# Altium PCB CarrierMotherboard.PcbDoc (part 2 of 6) (continued)
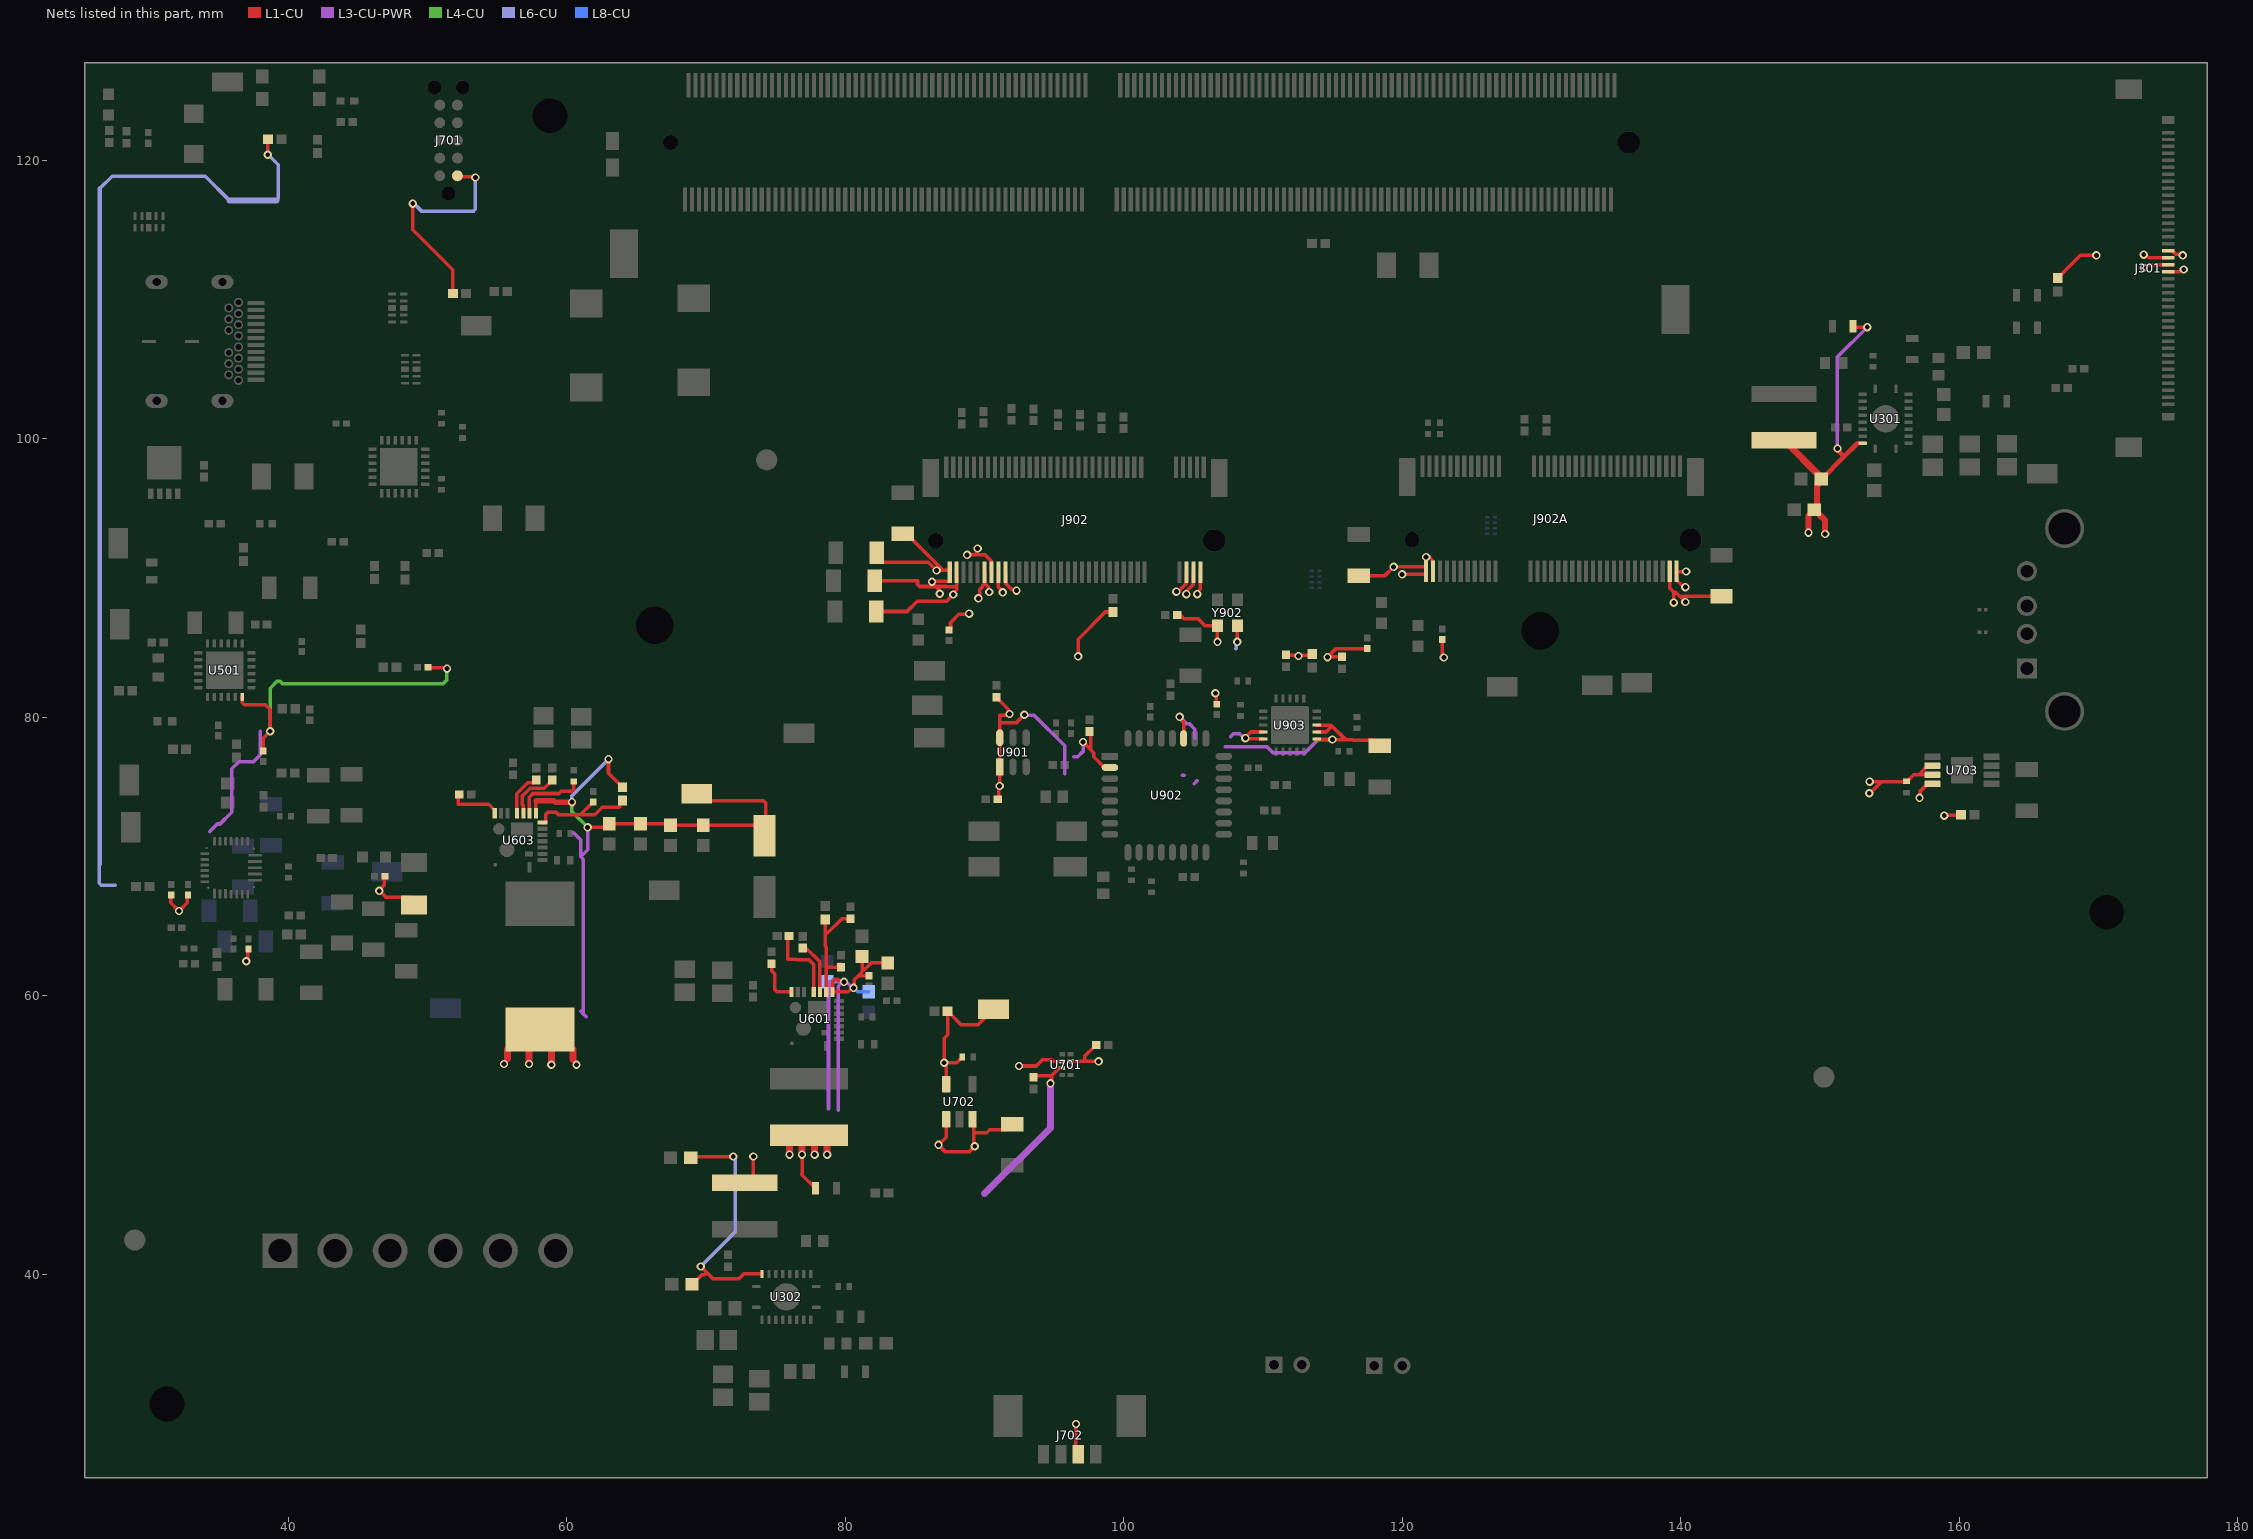
[diagram p8: the nets of this part, all layers, seen from the top]
## Part data (continued)
Q401: library part CMP-013-00034-1, "P-channel 30 V, 0.024 Ohm typ., 6 A STripFET H6 Power MOSFET in a PowerFLAT 3.3 x 3.3 package", Max Operating Temperature=150°C, Mounting Technology="Surface Mount", Pins=8
R101 R102 R612: library part CMP-2000-07451-1, "Chip Resistor, 0 Ohm, 0.1 W, -55 to 155 degC, 0402 (1005 Metric), RoHS, Tape and Reel", Case Code (Imperial)=0402, Case Code (Metric)=1005, Manufacturer=Panasonic, Max Operating Temperature=155degC, Max Power Dissipation=100mW, Min Operating Temperature=-55degC, Package Description="2-Pin Surface Mount Device, Body 1 x 0.5 mm", Package Quantity=1, Package Reference=402, Resistance=0mOhm, Temperature Coefficient=600ppm/��C, Tolerance=5%, Voltage Rating=50V, Case/Package=0402, Composition=ThickFilm, Contact Plating=Tin, Datasheet URL=https://industrial.panasonic.com/cdbs/www-data/pdf/RDA0000/AOA0000C301.pdf, Datasheet Version=03/2015, Depth=0.5mm, Height=0.35mm, Lead Free=LeadFree, Length=1mm, Manufacturer URL=http://www.panasonic.com/, Military Standard=Not, Mount=SurfaceMount, Mounting Technology=SurfaceMount, Number of Terminations=2, Packaging=TapeandReel, Power Rating=100mW, Radiation Hardening=No, REACH SVHC=NoSVHC, RoHSCompliant=True, Termination=SMD/SMT, Voltage Rating (DC)=50V, Width=0.02inch
R104 R105: library part CMP-2002-04898-2, "Thick Film Chip Resistors 0402 200Ω 0.0625W 1% 100ppm/°C", Case Code (Imperial)=0402, Case Code (Metric)=1005, Max Operating Temperature=125°C, Max Power Dissipation=63mW, Min Operating Temperature=-55°C, Package Quantity=10000, Power Rating=62.5mW, Temperature Coefficient=100ppm/°C, Tolerance=1%, Voltage Rating=50V, Case/Package=0402, Composition="Thick Film", Contact Plating=Tin, Depth=0.5mm, Height=0.016inch, Length=1mm, Military Standard=Not, Mount="Surface Mount", Number of Terminations=2, Packaging="Tape and Reel", Radiation Hardening=No, Resistance=200R, Termination=SMD/SMT, Thickness=356um, Width=0.5mm
R106: library part CMP-2002-04898-2, "Thick Film Chip Resistors 0402 200Ω 0.0625W 1% 100ppm/°C", Case Code (Imperial)=0402, Case Code (Metric)=1005, Max Operating Temperature=125°C, Max Power Dissipation=63mW, Min Operating Temperature=-55°C, Package Quantity=10000, Power Rating=62.5mW, Resistance=200R, Temperature Coefficient=100ppm/°C, Tolerance=1%, Voltage Rating=50V, Case/Package=0402, Composition="Thick Film", Contact Plating=Tin, Depth=0.5mm, Height=0.016inch, Length=1mm, Military Standard=Not, Mount="Surface Mount", Number of Terminations=2, Packaging="Tape and Reel", Radiation Hardening=No, Termination=SMD/SMT, Thickness=356um, Width=0.5mm
R201: library part CMP-26527-000122-1, "RES 0 OHM JUMPER 1/4W 0603", Case Code (Imperial)=0603, Case Code (Metric)=1608, Max Operating Temperature=155°C, Min Operating Temperature=-55°C, Package Quantity=5000, Resistance=0mR, Case/Package=0603, Height=0.021inch, Length=0.061inch, Mount="Surface Mount", Number of Terminations=2, Packaging="Tape and Reel", Radiation Hardening=No, RoHS Compliant=Yes, Termination=Wraparound, Width=0.031inch
R202 R205 R312 R404 R407 R501 R502 R512 R515 R702 R703 R910: library part CMP-2002-07913-2, "RES 100K OHM 5% 1/16W 0402", Case Code (Imperial)=0402, Case Code (Metric)=1005, Max Operating Temperature=155°C, Max Power Dissipation=63mW, Min Operating Temperature=-55°C, Package Quantity=1, Resistance=100kR, Resistance Tolerance=5%, Resistor Type="Thick Film", Temperature Coefficient=100ppm/°C, Voltage Rating=50V, Case/Package=0402, Construction=Rectangular, Depth=0.5mm, Features="Moisture Resistant", Height=0.016inch, Lead Free="Lead Free", Length=1mm, Military Standard=Not, Number of Terminations=2, Packaging="Tape and Reel", Power Rating=63mW, RoHS Compliant=Yes, Series=RC, Size Code=0402, Termination=SMD/SMT, Tolerance=5%, Width=0.02inch
R203 R204 R206 R402 R506 R507 R508 R521 R701: library part CMP-2002-07344-1, Manufacturer="Yageo / Phycomp", Part Number=RC0402FR-07100RL
R207: library part CMP-2002-07701-1, Manufacturer="Yageo / Phycomp", Part Number=RC0402FR-0747KL
R208 R403 R408 R514: library part CMP-2100-03616-1, "Chip Resistor, 1 KOhm, +/- 1%, 0.25 W, -55 to 155 degC, 1206 (3216 Metric), RoHS, Tape and Reel", Case Code (Imperial)=1206, Case Code (Metric)=3216, Manufacturer="Vishay Semiconductor", Max Operating Temperature=155degC, Max Power Dissipation=250mW, Min Operating Temperature=-55degC, Package Description="2-Pin Surface Mount Device, Body 3.15 x 1.6 mm", Package Quantity=10, Package Reference=1206.0, Resistance=1KOhm, Temperature Coefficient=100ppm/degreesC, Tolerance=1%, Voltage Rating=200V, Case/Package=1206, Composition=ThickFilm, Contact Plating=Tin, Datasheet URL=http://www.farnell.com/datasheets/1720486.pdf, Datasheet Version=41061.0, Depth=1.6mm, Height=0.55mm, Lead Free=LeadFree, Length=3.2mm, Manufacturer URL=http://www.vishay.com/, Military Standard=Not, Mount=SurfaceMount, Number of Pins=2, Number of Terminations=2, Packaging=TapeandReel, Power Rating=250mW, Radiation Hardening=No, REACH SVHC=Unknown, RoHSCompliant=true, Termination=SMD/SMT, Voltage Rating (DC)=200V, Weight=0.000353oz, Width=0.063inch
R301 R310: library part CMP-2000-03218-2, "RES Thick Film, 301kΩ, 1%, 0.1W, 100ppm/°C, 0603", Case Code (Imperial)=0603, Case Code (Metric)=1608, Max Operating Temperature=155°C, Max Power Dissipation=100mW, Min Operating Temperature=-55°C, Package Quantity=10, Resistance=301kR, Temperature Coefficient=100ppm/°C, Tolerance=1%, Voltage Rating=75V, Case/Package=0603, Composition="Thick Film", Contact Plating=Tin, Depth=0.85mm, Features="Automotive AEC-Q200", Height=0.45mm, Lead Free="Lead Free", Length=1.55mm, Military Standard=Not, Mount="Surface Mount", Number of Pins=2, Number of Terminations=2, Packaging="Tape and Reel", Power Rating=100mW, Radiation Hardening=No, Termination=SMD/SMT, Voltage Rating (DC)=75V, Weight=7.1E-05oz, Width=0.033inch, Working Voltage=75V
R302 R304 R306 R311 R313 R314 R316 R318: library part CMP-02407-011574-1, "RES SMD 100K OHM 1% 1/10W 0603", Case/Package=Molded, Max Operating Temperature=155°C, Min Operating Temperature=-55°C, Power Rating=100mW, Resistance=100kR, Resistor Type="Thick Film", Temperature Coefficient=100ppm/°C, Tolerance=1%, Contact Plating=Tin, Lead Free="Lead Free", Length=1.55mm, Mount="Surface Mount", RoHS Compliant=Yes, Termination=Wraparound
R303 R315: library part CMP-2000-02961-2, "RES Thick Film, 18.2kΩ, 1%, 0.1W, 100ppm/°C, 0603", Case Code (Imperial)=0603, Case Code (Metric)=1608, Max Operating Temperature=155°C, Max Power Dissipation=100mW, Min Operating Temperature=-55°C, Package Quantity=10, Resistance=18.2kR, Temperature Coefficient=100ppm/°C, Tolerance=1%, Voltage Rating=75V, Case/Package=0603, Composition="Thick Film", Contact Plating=Tin, Depth=0.85mm, Features="Automotive AEC-Q200", Height=0.45mm, Lead Free="Lead Free", Length=1.55mm, Military Standard=Not, Number of Pins=2, Number of Terminations=2, Packaging="Tape and Reel", Power Rating=100mW, Radiation Hardening=No, Termination=SMD/SMT, Voltage Rating (DC)=75V, Weight=7.1E-05oz, Width=0.85mm, Working Voltage=75V
R305: library part CMP-1012-00834-2, "RES Thick Film, 732kΩ, 1%, 0.1W, 100ppm/°C, 0603", Case Code (Imperial)=0603, Case Code (Metric)=1608, Max Operating Temperature=155°C, Max Power Dissipation=100mW, Min Operating Temperature=-55°C, Package Quantity=10, Resistance=732kR, Temperature Coefficient=100ppm/°C, Tolerance=1%, Voltage Rating=75V, Case/Package=0603, Composition="Thick Film", Contact Plating=Tin, Depth=0.85mm, Features="Automotive AEC-Q200", Height=0.02inch, Length=1.55mm, Military Standard=Not, Number of Pins=2, Number of Terminations=2, Packaging="Tape and Reel", Power Rating=100mW, Radiation Hardening=No, Termination=SMD/SMT, Weight=7.1E-05oz, Width=0.033inch
R307 R308 R520: library part CMP-1011-00001-2, Manufacturer="Yageo / Phycomp", Part Number=RC0402JR-070RL
R401 R509 R510 R513 R516 R517 R518 R519 R610 R618 R903 R904 R905: library part CMP-2002-07353-1, Manufacturer="Yageo / Phycomp", Part Number=RC0402FR-0710KL
R405: library part CMP-2002-07343-1, Manufacturer="Yageo / Phycomp", Part Number=RC0402FR-07100KL
R406: library part CMP-1011-00659-2, Manufacturer="Vishay Dale", Part Number=CRCW040222K0FKED
R409: library part CMP-2002-05217-1, Manufacturer=Bourns, Part Number=CR0402-FX-4701GLF
R410 R411: library part CMP-2002-07517-1, Manufacturer="Yageo / Phycomp", Part Number=RC0402FR-0722KL
R504: library part CMP-2002-08335-4, "RES Thick Film, 1.78MΩ, 1%, 0.063W, 100ppm/°C, 0402", Case Code (Imperial)=0402, Case Code (Metric)=1005, Max Operating Temperature=155°C, Max Power Dissipation=63mW, Min Operating Temperature=-55°C, Package Quantity=10000, Resistance=1.78MR, Temperature Coefficient=100ppm/°C, Tolerance=1%, Voltage Rating=50V, Case/Package=0402, Composition="Thick Film", Contact Plating=Tin, Depth=0.5mm, Features="Automotive AEC-Q200", Height=0.016inch, Lead Free="Lead Free", Length=1mm, Military Standard=Not, Number of Pins=2, Number of Terminations=2, Packaging="Tape and Reel", Power Rating=63mW, Radiation Hardening=No, Voltage Rating (DC)=50V, Weight=2.3E-05oz, Width=0.5mm
R505: library part CMP-1011-00786-2, Manufacturer=Yageo, Part Number=RC0402FR-07287KL
R511: library part CMP-2002-07655-1, Manufacturer=Yageo, Part Number=RC0402FR-073K57L
R522: library part CMP-06022-000003-3, "NTC Thermistor for Temperature Sensor, 0402, 10kΩ, 1%, 0.1mA, 5V", Case Code (Imperial)=0402, Case Code (Metric)=1005, Current Rating=310uA, Max Operating Temperature=125°C, Max Power Dissipation=100mW, Min Operating Temperature=-40°C, Package Quantity=10000, Resistance=10kR, Resistance Tolerance=1%, Case/Package=0402, Depth=0.5mm, Height=0.5mm, Lead Free="Lead Free", Length=1mm, Mount="Surface Mount", Number of Pins=2, Packaging="Tape and Reel", Power Rating=100mW, Radiation Hardening=No, REACH SVHC="No SVHC", RoHS Compliant=Yes, Series=NCP, Termination=SMD/SMT, Tolerance=1%
R523: library part CMP-2002-07025-1, Manufacturer="Yageo / Phycomp", Part Number=RC0402FR-0727KL
R601: library part CMP-1011-00655-3, "Thick Film Chip Resistors 0402 20kΩ 0.0625W 1% 100ppm/°C", Case Code (Imperial)=0402, Case Code (Metric)=1005, Max Operating Temperature=125°C, Min Operating Temperature=-55°C, Package Quantity=10000, Power Rating=62.5mW, Resistance=20kR, Temperature Coefficient=100ppm/°C, Tolerance=1%, Voltage Rating=50V, Case/Package=0402, Composition="Thick Film", Contact Plating=Tin, Depth=0.5mm, Height=0.35mm, Length=1mm, Military Standard=Not, Mount="Surface Mount", Packaging="Tape and Reel", Radiation Hardening=No, Termination=SMD/SMT, Thickness=356um, Width=0.5mm
R602 R908 R909: library part CMP-2002-05009-2, "Thick Film Chip Resistors 0402 2.7kΩ 0.0625W 1% 100ppm/°C", Case Code (Imperial)=0402, Case Code (Metric)=1005, Max Operating Temperature=125°C, Max Power Dissipation=63mW, Min Operating Temperature=-55°C, Package Quantity=10000, Power Rating=62.5mW, Resistance=2.7kR, Temperature Coefficient=100ppm/°C, Tolerance=1%, Voltage Rating=50V, Case/Package=0402, Composition="Thick Film", Contact Plating=Tin, Depth=0.5mm, Height=0.016inch, Length=1mm, Military Standard=Not, Mount="Surface Mount", Number of Terminations=2, Packaging="Tape and Reel", Radiation Hardening=No, Termination=SMD/SMT, Thickness=356um, Width=0.02inch
R603 R604 R607 R608: library part CMP-1011-00815-2, Manufacturer=Bourns, Part Number=CR0402-FX-4993GLF
R609: library part CMP-2002-05384-1, Manufacturer=Bourns, Part Number=CR0402-FX-7322GLF
R617: library part CMP-2002-07692-1, Manufacturer="Yageo / Phycomp", Part Number=RC0402FR-0745K3L
R900 R902: library part CMP-2002-07055-1, Manufacturer="Yageo / Phycomp", Part Number=RC0402FR-0727RL
R906 R907: library part CMP-2000-03436-2, "RES Thick Film, 50Ω, 1%, 0.1W, 100ppm/°C, 0603", Case Code (Imperial)=0603, Case Code (Metric)=1608, Max Operating Temperature=155°C, Min Operating Temperature=-55°C, Package Quantity=5000, Power Rating=100mW, Resistance=50R, Temperature Coefficient=100ppm/°C, Tolerance=1%, Voltage Rating=75V, Case/Package=0603, Composition="Thick Film", Contact Plating=Tin, Depth=0.85mm, Height=0.45mm, Lead Free="Lead Free", Length=1.55mm, Military Standard=Not, Mount="Surface Mount", Number of Pins=2, Packaging="Tape and Reel", Radiation Hardening=No, REACH SVHC="No SVHC", Termination=SMD/SMT, Voltage Rating (DC)=75V, Weight=7.1E-05oz, Width=0.85mm
RN101: library part CMP-05421-000001-1, "RES ARRAY 4 RES ZERO OHM 0502", Manufacturer="Panasonic Electronic Components", Manufacturer Part Number=EXB-18VR000X, Number Of Resistors=4, Package=EXB-18V, Power Per Resistor=0.031W, Power Rating=0.1W, Resistance=0Ω, Temperature="-55°C to +125°C", Temperature Coefficient=-200/+600ppm/°C, Temperature Range High=+125°C, Temperature Range Low=-55°C, Tolerance=5%, Voltage Rating=12.5V, Automotive=No, Category=Res, ComponentLink2Description=Datasheet, ComponentLink2URL=https://industrial.panasonic.com/cdbs/www-data/pdf/AOC0000/AOC0000C14.pdf, Composition="Thick Film", Device Class L1="Passive Components", Device Class L2=Resistors, Device Class L3="Resistor Arrays", Digikey Description="RES ARRAY 4 RES ZERO OHM 0502", Footprint Url=https://industrial.panasonic.com/cdbs/www-data/pdf/AOC0000/AOC0000COL4.pdf, Height=0.45mm, Lead Free=Yes, Mouser Description="Resistor Networks & Arrays Resistor Array Chip 0502 4 Elements", Octopart=https://octopart.com/exb-18vr000x-panasonic-39836506, RoHS=TRUE, Series=EXB, Termination=Flat
RN104: library part CMP-05421-000001-1, "RES ARRAY 4 RES ZERO OHM 0502", Manufacturer="Panasonic Electronic Components", Number Of Resistors=4, Package=EXB-18V, Power Per Resistor=0.031W, Power Rating=0.1W, Resistance=0Ω, Temperature="-55°C to +125°C", Temperature Coefficient=-200/+600ppm/°C, Temperature Range High=+125°C, Temperature Range Low=-55°C, Tolerance=5%, Voltage Rating=12.5V, Automotive=No, Category=Res, ComponentLink2Description=Datasheet, ComponentLink2URL=https://industrial.panasonic.com/cdbs/www-data/pdf/AOC0000/AOC0000C14.pdf, Composition="Thick Film", Device Class L1="Passive Components", Device Class L2=Resistors, Device Class L3="Resistor Arrays", Digikey Description="RES ARRAY 4 RES ZERO OHM 0502", Footprint Url=https://industrial.panasonic.com/cdbs/www-data/pdf/AOC0000/AOC0000COL4.pdf, Height=0.45mm, Lead Free=Yes, Manufacturer Part Number=EXB-18VR000X, Mouser Description="Resistor Networks & Arrays Resistor Array Chip 0502 4 Elements", Octopart=https://octopart.com/exb-18vr000x-panasonic-39836506, RoHS=TRUE, Series=EXB, Termination=Flat
S701: library part CMP-016-00013-1, "Switch Tactile N.O. SPST Round Button Gull Wing 0.05A 32VDC 1VA 200000Cycle 1.2N SMD T/R", Case/Package=SMD/SMT, Max Operating Temperature=85°C, Min Operating Temperature=-40°C, Mounting Technology="Surface Mount"
U301: library part CMP-04918-000117-1, "IC REG BOOST ADJ 10A 20VQFN", Manufacturer="Texas Instruments", Max Junction Temp=+125°C, Max Supply Voltage=12V, Min Supply Voltage=2.7V, Nominal Supply Current=1-110uA, Output Current=10A, Output Voltage=4.5-12.6V, Package=RHL0020A, Switching Frequency=200-2200kHz, Temperature="-40°C to +85°C", Temperature Range High=+85°C, Temperature Range Low=-40°C, Automotive=No, Category=IC, ComponentLink2Description=Datasheet, ComponentLink2URL=http://www.ti.com/lit/ds/symlink/tps61088.pdf, Device Class L1="Integrated Circuits (ICs)", Device Class L2="Power Management ICs", Device Class L3="Voltage Regulators - Switching", Digikey Description="IC REG BOOST ADJ 10A 20VQFN", Height=1mm, Lead Free=Yes, Manufacturer Part Number=TPS61088RHLT, Max Duty Cycle=90%, Number Of Outputs=1, Octopart=https://octopart.com/tps61088rhlt-texas+instruments-57155059, Output Type=AdjustableProgrammable, RoHS=TRUE, Switching Topology=Boost
U302: library part CMP-04918-000117-1, "IC REG BOOST ADJ 10A 20VQFN", Manufacturer="Texas Instruments", Manufacturer Part Number=TPS61088RHLT, Max Junction Temp=+125°C, Max Supply Voltage=12V, Min Supply Voltage=2.7V, Nominal Supply Current=1-110uA, Output Current=10A, Output Voltage=4.5-12.6V, Package=RHL0020A, Switching Frequency=200-2200kHz, Temperature="-40°C to +85°C", Temperature Range High=+85°C, Temperature Range Low=-40°C, Automotive=No, Category=IC, ComponentLink2Description=Datasheet, ComponentLink2URL=http://www.ti.com/lit/ds/symlink/tps61088.pdf, Device Class L1="Integrated Circuits (ICs)", Device Class L2="Power Management ICs", Device Class L3="Voltage Regulators - Switching", Digikey Description="IC REG BOOST ADJ 10A 20VQFN", Height=1mm, Lead Free=Yes, Max Duty Cycle=90%, Number Of Outputs=1, Octopart=https://octopart.com/tps61088rhlt-texas+instruments-57155059, Output Type=AdjustableProgrammable, RoHS=TRUE, Switching Topology=Boost
U401: library part CMP-12113-000003-3, "4.1V~22V USB 2.0 I2C Controllers Interface ICs STUSB45 Controller 24-VFQFN Exposed Pad", Ambient Temperature Range High=105°C, Max Junction Temperature (Tj)=145°C, Max Supply Voltage=22V, Min Operating Temperature=-40°C, Min Supply Voltage=3V, Height=1mm, Interface="I2C, USB", Lifecycle Status=Production, Max Operating Temperature=105°C, Number of Ports=1, Schedule B="8542390000, 8542390000", USB Standard="USB 2.0"
U402 U403 U404: library part CMP-04985-000004-1, "TVS DIODE 5.5V 14V 10USON", Ambient Temperature Range High=+125°C, Ambient Temperature Range Low=-40°C, Breakdown Voltage=6.4V, Capacitance=0.5pF, Clamping Voltage=14V, Manufacturer="Texas Instruments", Operating Supply Voltage=5.5V, Package=DQA0010A, Peak Pulse Current=2.5A, Peak Pulse Power=2.5W, Temperature="-40°C to +125°C", Automotive=Yes, Automotive Grade="Grade 1", Category=IC, ComponentLink2Description=Datasheet, ComponentLink2URL=http://www.ti.com/lit/ds/symlink/tpd4e05u06-q1.pdf, Device Class L1="Circuit Protection", Device Class L2="ESD and Circuit Protection ICs", Device Class L3=unset, Digikey Description="TVS DIODE 5.5V 14V 10USON", Direction=Unidirectional, Height=0.55mm, Interface=USB,Ethernet,LVDS,Other, Lead Free=Yes, Manufacturer Part Number=TPD4E05U06QDQARQ1, Mouser Description="Automotive 4-Channel ESD Protection Solution for SuperSpeed (up to 5 Gbps) Interface 10-USON -40 to 125", Number of Channels=4, Octopart=https://octopart.com/tpd4e05u06qdqarq1-texas+instruments-48523459, Reverse Standoff Voltage=5.5V, RoHS=TRUE, Standoff Height=0mm, Temperature Range High=+125°C, Temperature Range Low=-40°C
U501: library part CMP-04910-000050-1, "POWER MANAGEMENT", RoHS Compliant=Yes
U502: library part CMP-04911-000031-1, "I2C CONTROLLED, 5-A, 1-4 CELL BU", RoHS Compliant=Yes
U601 U603: library part CMP-00030-87948104-1, "SIC431AED-T1-GE3 IC Reg Buck Adj 24A MLP44-24", Ambient Temperature Range High=105°C, Max Junction Temperature (Tj)=125°C, Max Supply Voltage=24V, Min Operating Temperature=-40°C, Min Supply Voltage=3V, Output Current=24A, Output Voltage=20V, Height=800µm, Max Operating Temperature=125°C, NexarPartId=87948104, Number Of Outputs=1, RoHS=Non-Compliant, Schedule B="8542390000, 8542390000"
U701: library part CMP-015-00011-1, "Line Transceiver, PDSO8, 1 X 1.95 Mm, 0.50 Mm Height, Plastic, MO-252, SOT833-1, SON-8", Max Operating Temperature=125°C, Max Supply Voltage=3.6V, Min Operating Temperature=-40°C, Min Supply Voltage=1.65V, Mounting Technology=Standard, Pins=8
U702: library part CMP-019-00049-1, "200mA, ultra-low-IQ, high-accuracy, low-dropout voltage regulator with enable 5-SOT-23 -40 to 125", Case/Package=SOT-23, Output Voltage=1.8V, Pins=5
U703: library part CMP-0337-00296-2, "Single Channel, Current-Limited USB Power Distribution Switch, 2.9 A Current Limit, -40 to 85 degC, 8-pin MSOP-PowerPAD (DGN), Green (RoHS & no Sb/Br)", Continuous Current(Max)(A)=2, Current Limit(A)=2.9, Manufacturer="Texas Instruments", Rating=Catalog, Code_JEDEC=MO-187-AA-T, ComponentLink1Description=Datasheet, ComponentLink1URL=http://www.ti.com/general/docs/lit/getliterature.tsp?genericPartNumber=TPS2001C&fileType=pdf, DatasheetVersion=SLVSAU6E, Discharge Function=TRUE, Eco-Plan="Green (RoHS & no Sb/Br)", Enable="Active High", Mounting Technology="Surface Mount", Number of Switches=1, PackageDescription="8-Pin PowerPAD Plastic Small Outline Package 3 x 3 mm Body ,0.65 mm Pitch, Exposed Pad", PackageReference=DGN0008D, PackageVersion="revF, May-2011", PartNumber=TPS2001CDGNR, rDS(on) per FET(Typ)(mOhms)=70, UL Listed=TRUE, Vin(Max)(V)=5.5, Vin(Min)(V)=4.5
U901: library part CMP-04910-000092-1, "IC PWR SWITCH N-CHAN 1:1 SOT23-6", Case/Package=SOT-23-6, Max Operating Temperature=105°C, Max Output Current=2A, Min Operating Temperature=-40°C, Interface=On/Off, Lead Free="Lead Free", Number of Channels=1, Number Of Outputs=1, Output Configuration="High Side", Packaging="Tape and Reel", RoHS Compliant=Yes
U902: library part CMP-04873-000003-1, "IC STEREO AUD CODEC W/USB 32TQFP", Case/Package=TQFP, Max Operating Temperature=85°C, Max Supply Voltage=5.25V, Min Operating Temperature=-25°C, Min Supply Voltage=3V, Operating Supply Voltage=5V, Package Quantity=1000, Contact Plating=Gold, Interface=USB, Lead Free="Lead Free", Mount="Surface Mount", Number of A/D Converters=1, Number of ADC Channels=1, Number of Analog Inputs=1, Number of Analog Outputs=2, Number of D/A Converters=1, Number of DAC Channels=2, Number of Pins=32, Packaging="Tape and Reel", Radiation Hardening=No, Resolution=16b, RoHS Compliant=Yes, Sampling Rate=48KS/s, Series=-, Signal to Noise Ratio (SNR)=92dB, Type="General Purpose"
U903: library part CMP-0991-00197-2, "2.8-W/Ch Stereo Class-D Audio Amplifier with SmartGainTM AGC / DRC, -40 to 85 degC, 20-pin QFN (RTJ20), Green (RoHS & no Sb/Br)", Manufacturer="Texas Instruments", Output Power(W)=2.8, Supply Max(Max)(Volt)=5.5, Supply Min(Min)(Volt)=2.5, ComponentLink1Description="Manufacturer URL", ComponentLink1URL=http://www.ti.com/, ComponentLink2Description=Datasheet, ComponentLink2URL=http://www.ti.com/general/docs/lit/getliterature.tsp?genericPartNumber=TPA2016D2&fileType=pdf, ComponentLink3Description="Package Specification", ComponentLink3URL=http://www.ti.com/litv/pdf/mpqf156e, DatasheetVersion=SLOS524D, Eco-Plan="Green (RoHS & no Sb/Br)", Mounting Technology="Surface Mount", PackageDescription="20-pin Plastic Flat Pack, Body 4 x 4 mm, Pitch 0.5 mm", PackageReference=RTJ0020D, PackageVersion="4205505/F, 07/2011", PartNumber=TPA2016D2RTJT, PSRR(dB)=-80, Speaker Amp Type=Class-D, Speaker Channels=Stereo, Special Features=AGC/DRC, SubFamily="Dynamic Speaker"
Y902: library part CMP-00023-00003-1, "Oscillator, 32.768kHz, CMOS, SMD, 2.5mm x 2mm, 3.6V, 25ppm, MultiVolt ECS-327MVATX Series", Frequency=32.768kHz, Max Operating Temperature=85°C, Min Operating Temperature=-40°C, Mounting Technology="Surface Mount"

## Free pads (board coordinates)
  round 1.524 hole 2.5 unplated mask+0.1: 4(170.6,66) 5(31.3,30.7) 6(58.8,123.2)
  round 1.524 smd mask+0.5: FM1(28.981,42.469) FM2(150.283,54.173) FM3(74.362,98.496)
  round 1.524 hole 2.7 unplated mask+0.1: MH1(66.319,86.614) MH2(129.921,86.208)

## Via types
v1: diameter 0.6, hole 0.35, L1-CU to L8-CU, 799 vias

## Nets (pads, with @x,y where several pads share a name; then routed paths per layer and width w, separated by ;. In a path a pad name is that pad's centre, name@x,y a point inside that pad or via, vN(x,y) a via of type N, cw(c..) or ccw(c..) an arc to the next point about the centre after c; other vN are vias at no path point)
1V8_LDO: C706.2 C709.1 J701.1 R202.2 R205.2 R702.2 TP701.1 U701.3 U701.6 U702.5 | length 104.4
  L1-CU w0.254: v1(38.532,120.408) 38.544,120.42 38.544,121.513 R702.2@38.557,121.525 ; v1(48.946,116.891) 48.946,115.011 51.821,112.136 R205.2@51.821,110.436 ; 52.578,118.821 52.22,118.821 52.208,118.833 53.383,118.833 v1(53.442,118.774) ; U702.5@87.25,53.655 87.25,54.926 87.1,55.076 v1(87.1,55.2) ; C709.1@88.4,55.6 88.4,55.55 88.327,55.477 88.277,55.477 88,55.2 v1(87.1,55.2) ; TP701.1@90.8,59.2 TP701.1@90.65,59.05 89.512,57.912 88.345,57.912 87.588,58.669 87.588,58.691 87.379,58.9 R202.2@87.357,58.9 87.357,57.207 87.1,56.95 v1(87.1,55.2) ; v1(92.481,54.966) 93.726,54.966 94.158,55.397 94.806,55.397 94.887,55.317 U701.6@95.59,55.317 ; U701.3@96.18,55.317 96.191,55.307 97.188,55.307 ; C706.2@98.019,56.464 97.997,56.464 97.188,55.655 97.188,55.307 ; v1(98.196,55.296) 98.186,55.307 97.188,55.307
  L6-CU w0.254: 26.42,69.467 26.42,68.094 26.569,67.945 27.588,67.945 ; 26.467,117.983 27.356,118.872 34.036,118.872 35.789,117.119 ; v1@38.532,120.447 39.281,119.698 39.281,117.268 39.132,117.119 ; v1@48.87,117.069 49.606,116.332 53.293,116.332 53.442,116.481 v1(53.442,118.774)
  L6-CU w0.35: 26.467,69.467 26.467,117.983
  L6-CU w0.45: 35.789,117.119 39.132,117.119
3V3_EN: R612.2 U603.19 | length 5.1
  L1-CU w0.254: U603.19@57.338,73.113 57.315,73.136 57.315,74.271 57.577,74.534 59.434,74.534 59.6,74.7 60.351,74.7 60.5,74.849 R612.2@60.5,75.4
3V3_FB: R617.1 R618.2 U603.17 | length 8.3
  L1-CU w0.254: U603.17@58.25,72.45 58.463,72.45 58.486,72.473 58.486,73.026 58.634,73.174 59.236,73.174 59.411,73 60.975,73 ; R618.2@61.9,73.925 61.9,73.9 61.802,73.802 61.777,73.802 60.975,73 ; R617.1@64,74.025 63.802,73.827 63.802,73.581 63.779,73.558 62.56,73.558 62.001,73 60.975,73
3V3_M2: C101.2 C104.1 C105.1 C114.1 C115.1 C116.1 C117.1 C626.1 C628.1 C630.1 C632.1 C633.2 J301.18 J301.19 J301.20 J301.21 J902.2 J902.4 J902.12 J902.14 J902.16 J902.18 J902.70 J902.72 J902.74 J902A.2 J902A.4 J902A.72 J902A.74 L603.2 R104.2 R105.2 R106.1 R207.2 R312.2 R509.2 R510.2 R513.1 R514.2 R516.1 R517.1 R518.1 R617.2 R703.1 R908.2 R909.2 R910.1 TP603.1 U501.12 U603.18 U703.4 Y902.1 Y902.4 | length 190.5
  L1-CU w0.254: R517.1@31.553,67.25 31.553,66.7 v1(32.153,66.1) 32.753,66.7 R516.1@32.753,67.25 ; U501.12@36.7,81.475 36.7,81.049 36.849,80.9 38.351,80.9 38.7,80.551 v1(38.7,79) 38.2,78.5 R510.2@38.2,77.575 ; v1(36.986,62.484) 36.986,62.578 37.108,62.699 R518.1@37.108,63.351 ; R513.1@46.911,68.596 46.911,67.99 46.537,67.616 v1(46.537,67.539) 46.563,67.539 47.031,67.07 48.758,67.07 R514.2@49.153,66.675 ; R509.2@50.05,83.6 50.1,83.55 51.35,83.55 v1(51.4,83.5) ; v1(55.492,55.104) 55.492,55.227 55.74,55.475 ; L603.2@57.292,56.797 L603.2@58.09,57.594 L603.2@58.898,56.786 ; U603.18@57.788,73.113 57.788,73.966 57.821,74 ; 60.439,55.436 60.698,55.177 v1(60.698,55.053) ; v1(61.5,72.1) 62.789,72.1 C626.1@63.056,72.367 C628.1@65.292,72.367 67.342,72.367 C630.1@67.458,72.251 69.797,72.251 C632.1@69.8,72.254 73.527,72.254 74.2,71.581 C633.2@74.2,71.5 74.3,71.6 74.3,73.851 74.151,74 69.861,74 TP603.1@69.349,74.512 ; v1(63,77) 63,76 64,75 R617.2@64,74.975 ; C114.1@82.11,89.821 85.192,89.821 85.192,89.549 85.34,89.4 86.489,89.4 ; C115.1@82.22,87.605 84.438,87.605 85.175,88.341 87.274,88.341 v1(87.757,88.824) 87.757,88.917 88.003,89.163 88.003,89.459 ; C116.1@82.271,91.821 82.271,91.546 82.669,91.148 85.966,91.148 v1(86.563,90.551) 87.021,90.551 ; C117.1@84.125,93.193 84.4,93.193 87.021,90.571 87.021,90.551 ; v1(86.233,89.738) 86.268,89.773 87.48,89.773 87.503,89.796 J902.2@87.503,90.421 87.503,90.528 87.48,90.551 87.021,90.551 ; v1@86.253,89.637 86.489,89.4 ; v1(86.792,88.875) 86.726,88.941 86.726,89.164 86.489,89.4 ; R106.1@87.452,86.281 87.561,86.391 87.561,86.799 88.163,87.401 88.849,87.401 v1(88.9,87.452) ; J902.4@88.003,90.421 88.003,89.459 ; v1(88.753,91.671) 89.397,91.671 ; v1(89.51,92.126) 89.422,92.038 89.422,91.697 89.397,91.671 ; v1(89.56,88.544) 89.648,88.632 89.648,89.156 89.888,89.395 89.888,89.472 90.026,89.61 ; J902.12@90.003,90.421 90.026,90.398 90.026,89.61 ; v1(90.348,89.002) 90.26,89.089 90.26,89.375 90.026,89.61 ; J902.14@90.503,90.421 90.48,90.444 90.48,91.232 90.041,91.671 89.397,91.671 ; J902.16@91.003,90.421 91.003,89.336 91.313,89.026 v1(91.313,88.976) ; J902.18@91.503,90.421 91.526,90.398 91.526,89.61 91.944,89.191 92.216,89.191 v1(92.304,89.103) ; v1(96.723,84.379) 96.723,85.623 98.669,87.569 R207.2@99.238,87.569 ; v1(103.784,89.027) 103.897,89.027 104.48,89.61 104.48,90.398 J902.70@104.503,90.421 ; C101.2@103.844,87.35 103.946,87.451 103.967,87.451 104.332,87.087 105.337,87.087 105.829,86.595 Y902.4@106.726,86.595 106.731,86.591 v1(106.731,85.42) ; v1(104.496,88.849) 104.562,88.915 104.562,89.119 104.98,89.536 104.98,90.398 J902.72@105.003,90.421 ; v1(105.283,88.849) 105.283,88.973 105.503,89.192 J902.74@105.503,90.421 ; v1(108.153,85.42) 108.153,86.572 Y902.1@108.176,86.595 ; R909.2@111.658,84.503 111.708,84.453 112.498,84.453 v1(112.547,84.404) 112.622,84.478 113.461,84.478 R910.1@113.535,84.553 ; v1(114.63,84.328) v1@114.641,84.339 ; R908.2@115.672,84.35 115.661,84.339 v1@114.641,84.339 ; C104.1@116.874,90.185 118.76,90.185 v1(119.38,90.805) 121.685,90.805 121.708,90.782 J902A.2@121.708,90.484 121.708,90.295 121.685,90.272 v1(119.99,90.272) ; R104.2@117.487,84.945 115.247,84.945 v1@114.641,84.339 ; v1(121.717,91.516) 121.928,91.516 122.185,91.26 122.185,90.507 J902A.4@122.208,90.484 ; R105.2@122.885,85.598 122.885,84.528 122.987,84.426 v1(122.987,84.303) ; J902A.72@139.208,90.484 139.208,89.288 139.497,88.998 ; v1(139.497,88.24) 139.497,88.998 ; v1(140.335,88.29) 139.932,88.693 ; v1(140.335,89.357) 140.248,89.445 140.122,89.445 139.708,89.859 J902A.74@139.708,90.484 139.717,90.475 v1(140.386,90.475) ; C105.1@142.933,88.693 139.932,88.693 ; v1(157.15,74.219) 157.216,74.285 157.216,74.716 157.682,75.182 U703.4@158.032,75.182 ; v1(158.928,72.949) 158.953,72.974 160.117,72.974 R703.1@160.143,73 ; R312.2@167.081,111.557 167.081,111.578 167.29,111.787 167.312,111.787 168.707,113.182 v1(169.85,113.182) ; v1(173.253,112.293) 173.377,112.293 173.584,112.5 J301.20@175,112.5 ; v1(173.253,113.233) 173.377,113.233 173.61,113 J301.19@175,113 ; J301.21@175,112 175.833,112 176,112.166 v1(176.124,112.166) ; J301.18@175,113.5 175.321,113.5 175.551,113.27 175.96,113.27 v1(176.047,113.182) ; 86.489,89.4 87.261,89.4 87.289,89.372 87.916,89.372 88.003,89.459 ; 139.497,88.998 139.627,88.998 139.932,88.693
  L1-CU w0.4: 57.821,74 59.076,74 59.162,73.914 v1(60.376,73.914)
  L1-CU w0.5: 55.74,55.475 L603.2@55.74,56.134 ; v1(57.292,55.104) L603.2@57.292,56.797 ; v1(58.898,55.053) L603.2@58.898,56.786 ; 60.439,55.436 L603.2@60.439,56.134
  L3-CU-PWR w0.254: 34.353,71.8 34.896,72.343 35.096,72.343 35.953,73.2 35.953,76.3 36.453,76.8 37.453,76.8 ; 37.5,76.8 38,77.3 38,79 ; 60.2,58.5 60.213,58.513 ; 60.5,71.7 61,71.2 61,70 ; 61,58.9 61.2,58.7 ; 61.4,58.5 61.2,58.7 ; v1(61.5,72.1) 61.5,70.5 61,70 ; 61,70 61.2,69.8 61.2,58.7
  L4-CU w0.254: v1(38.7,79) 38.7,82.1 39.195,82.595 39.405,82.595 39.6,82.4 51.1,82.4 51.4,82.7 v1(51.4,83.5) ; v1(60.376,73.914) 60.376,73.224 v1(61.5,72.1)
  L6-CU w0.254: v1(60.376,73.914) 60.376,74.376 v1(63,77) ; 108.052,84.938 108.066,84.952 108.066,85.333 v1(108.153,85.42)
3V3_MODE1: R607.2 U603.21 | length 3.2
  L1-CU w0.254: U603.21@56.438,73.113 56.415,73.136 56.415,73.597 56.408,73.604 56.408,74.508 57.202,75.302 57.627,75.302 57.8,75.475 R607.2@57.8,75.5
3V3_MODE2: R608.2 U603.20 | length 3.9
  L1-CU w0.254: U603.20@56.888,73.113 56.865,73.136 56.865,73.69 56.792,73.763 56.792,74.325 57.384,74.918 58.397,74.918 58.954,75.475 R608.2@58.954,75.5
3V3_PHASE: C623.2 U603.24 | length 3.7
  L1-CU w0.254: C623.2@52.291,74.461 52.222,74.393 52.222,73.762 54.401,73.762 54.838,73.325 U603.24@54.838,73.113
5V_EN: C604.1 R601.1 R602.2 U601.19 | length 9
  L1-CU w0.254: R601.1@78.562,65.485 78.562,64.533 ; U601.19@78.638,60.286 78.638,62.059 ; C604.1@79.705,62.255 79.508,62.255 C604.1@79.705,62.059 78.638,62.059 ; R602.2@80.352,65.524 79.748,65.524 78.757,64.533 78.562,64.533 ; 78.562,64.533 78.562,63.581 78.638,63.506 78.638,62.059
5V_GATE: 
5V_MODE1: R603.2 U601.21 | length 5.7
  L1-CU w0.254: R603.2@75.97,64.3 75.87,64.2 75.87,62.636 76.429,62.636 76.476,62.589 77.4,62.589 77.738,62.251 U601.21@77.738,60.286
5V_MODE2: R604.2 U601.20 | length 3.8
  L1-CU w0.254: R604.2@76.941,63.425 77.208,63.425 78.188,62.446 U601.20@78.188,60.286
5V_OUT: C301.1 C302.1 C310.1 C311.1 C616.1 C618.1 C619.1 C621.1 C707.2 C708.1 C710.1 C907.1 C908.1 C910.1 C920.1 J702.2 L301.1 L302.1 L601.2 R302.1 R311.2 R609.2 R903.1 U301.9 U302.9 U601.18 U701.7 U702.1 U702.3 U703.2 U703.3 U901.1 U901.6 U902.2 U902.27 U903.4 U903.5 U903.11 U903.12 U903.13 | length 171.1
  L1-CU w0.254: C310.1@68.902,48.37 68.995,48.463 v1(71.958,48.463) ; C311.1@69.002,39.294 69.025,39.294 69.713,39.982 69.903,39.982 70.053,40.132 ; v1@69.555,40.63 v1(69.621,40.564) 70.053,40.132 ; L302.1@71.978,47.029 72.441,46.566 L302.1@72.771,46.566 73.75,46.566 73.406,46.91 v1(73.406,48.463) ; L302.1@72.06,47.029 72.52,46.569 L302.1@72.774,46.569 ; U302.9@74.022,40.03 72.711,40.03 72.381,39.7 70.485,39.7 70.053,40.132 ; L601.2@76,49.348 76.648,49.996 L601.2@77.412,49.996 ; v1(76.9,48.6) 76.9,47.206 76.887,47.193 76.887,47.153 R311.2@77.863,46.177 R311.2@77.85,46.177 ; L601.2@76.9,49.484 L601.2@77.412,49.996 ; L601.2@77.8,49.608 L601.2@77.412,49.996 ; L601.2@78.7,49.348 78.052,49.996 L601.2@77.412,49.996 ; v1(79.908,61.011) 79.842,61.077 79.548,61.077 79.447,61.178 79.236,61.178 79.088,61.029 U601.18@79.088,60.286 80.207,60.286 80.501,60.579 v1(80.594,60.579) 80.66,60.645 80.66,61.16 80.95,61.45 ; C621.1@81.204,62.824 81.226,62.802 81.226,61.726 ; R609.2@81.7,61.45 80.95,61.45 ; C618.1@83.056,62.367 81.867,62.367 81.226,61.726 ; U702.1@87.25,51.145 87.25,49.85 v1(86.7,49.3) 87.207,48.793 88.893,48.793 v1(89.3,49.2) ; U702.3@89.15,51.145 89.225,51.07 89.225,50.173 ; v1@89.25,49.25 89.225,49.275 89.225,50.173 ; C910.1@90.856,81.458 90.856,81.436 91.708,80.584 91.708,80.326 v1(91.796,80.239) 91.708,80.151 91.114,80.151 91.1,80.137 91.1,79.629 ; C908.1@91.022,74.09 91.022,75.007 v1(91.088,75.074) 91.094,75.079 91.094,76.439 U901.1@91.1,76.445 U901.6@91.1,78.546 91.1,79.629 ; C708.1@92,50.775 91.602,50.377 90.378,50.377 90.174,50.173 89.225,50.173 ; v1(92.862,80.188) 92.304,79.629 91.1,79.629 ; C707.2@93.548,54.254 94.799,54.254 94.829,54.285 ; v1(94.742,53.721) 94.829,53.808 94.829,54.285 ; U701.7@95.59,54.817 95.562,54.789 95.334,54.789 94.829,54.285 ; v1(96.571,29.261) 96.571,27.251 J702.2@96.739,27.083 ; v1@97.145,78.298 v1(97.079,78.232) 97.636,77.675 ; C907.1@97.528,78.988 97.636,78.88 97.636,77.675 ; U902.2@98.608,76.4 97.841,77.167 97.841,77.47 97.636,77.675 ; v1(104.013,80.035) 104.013,79.942 104.296,79.659 104.296,78.495 U902.27@104.3,78.491 ; v1(106.578,81.737) 106.629,81.686 106.629,80.995 R903.1@106.68,80.944 ; U903.5@110.013,78.451 108.798,78.451 v1(108.737,78.511) 108.737,78.555 109.133,78.951 U903.4@110.013,78.951 ; U903.11@113.863,78.451 113.87,78.444 114.951,78.444 v1(114.986,78.41) 115.926,78.41 ; U903.12@113.863,78.951 114.537,78.951 114.96,79.375 ; U903.13@113.863,79.451 113.87,79.444 114.891,79.444 114.96,79.375 ; C920.1@118.381,77.95 117.983,78.348 116.483,78.348 116.421,78.41 115.926,78.41 ; C302.1@149.174,94.498 149.244,94.568 149.244,94.591 149.573,94.92 C302.1@149.596,94.92 C302.1@149.619,94.92 ; C302.1@149.784,95.084 C302.1@149.619,94.92 ; C302.1@149.948,94.568 149.948,94.591 C302.1@149.619,94.92 ; C301.1@150.094,97.115 C301.1@150.117,97.115 ; R302.1@152.388,108.102 152.464,108.026 v1(153.391,108.026) ; 152.693,99.691 153.054,99.691 U301.9@153.061,99.698 ; v1(153.543,74.549) 153.597,74.549 154.441,75.394 ; v1(153.568,75.387) 153.575,75.394 154.441,75.394 ; C710.1@156.2,75.4 156.194,75.394 154.441,75.394 ; C710.1@156.25,75.4 156.725,75.875 157.2,75.875 ; U703.3@158.075,75.875 157.2,75.875 ; U703.2@158.075,76.525 157.725,76.525 157.2,76 157.2,75.875 ; 80.95,61.45 81.226,61.726 ; 114.96,79.375 115.926,78.41
  L1-CU w0.35: C301.1@150.117,97.115 151.647,98.645 ; v1(151.257,99.314) 151.257,99.216 151.647,98.826 151.647,98.645 ; 152.693,99.691 151.647,98.645
  L1-CU w0.45: v1(149.174,93.269) C302.1@149.174,94.498 ; C302.1@149.784,95.084 149.784,96.62 149.84,96.676 149.84,96.883 150.071,97.115 C301.1@150.094,97.115 ; C302.1@149.948,94.568 150.368,94.148 v1(150.368,93.167)
  L1-CU w0.5: v1(76,48.6) L601.2@76,49.348 ; v1(76.9,48.6) L601.2@76.9,49.484 ; v1(77.8,48.6) L601.2@77.8,49.608 ; v1(78.7,48.6) L601.2@78.7,49.348 ; L301.1@147.416,99.916 150.094,97.238 C301.1@150.094,97.115
  L3-CU-PWR w0.254: 78.8,51.9 78.8,60.8 79.142,61.142 79.481,61.142 79.546,61.077 79.842,61.077 v1(79.908,61.011) ; 79.5,51.8 79.5,60.7 79.7,60.9 80.18,60.9 80.501,60.579 v1(80.594,60.579) ; v1(92.862,80.188) 92.883,80.167 93.543,80.167 95.758,77.953 95.758,75.942 ; 96.418,77.165 96.698,77.165 97.079,77.546 v1(97.079,78.232) ; v1(104.013,80.035) 104.021,80.035 104.498,79.558 104.694,79.558 105.105,79.146 105.105,78.486 ; 104.191,75.844 104.343,75.844 ; 105.054,75.235 105.283,75.463 ; 107.286,77.902 110.287,77.902 110.744,77.445 113.005,77.445 113.97,78.41 v1(114.986,78.41) ; 107.683,78.626 107.874,78.816 108.339,78.816 108.644,78.511 v1(108.737,78.511) ; v1(151.257,99.314) 151.257,105.893 v1(153.391,108.026)
  L3-CU-PWR w0.5: 90.018,45.796 94.742,50.521 v1(94.742,53.721)
  L6-CU w0.254: v1(69.621,40.564) 72.104,43.046 72.104,48.317 v1(71.958,48.463)
  L8-CU w0.254: C616.1@78.715,61.02 78.724,61.011 v1(79.908,61.011) ; v1(80.594,60.579) 80.61,60.579 80.903,60.286 C619.1@81.7,60.286
5V_PHASE: C607.2 U601.24 | length 3.2
  L1-CU w0.254: C607.2@74.7,62.3 74.739,62.261 74.739,61.76 74.955,61.544 74.955,60.434 75.104,60.286 U601.24@76.138,60.286